# Altium PCB CU-ON-OFF-V2-08-11-18.PcbDoc (part 9 of 14)
Units mm, origin at the board's own origin, x right, y up, seen from the top; angles counter-clockwise.
Board outline 213 x 122.62 mm, 2 copper layers (Top Layer, Bottom Layer); 304 components, 53 nets, 991 pads, 702 vias.
Unrouted connection lines stored in the file: 1.
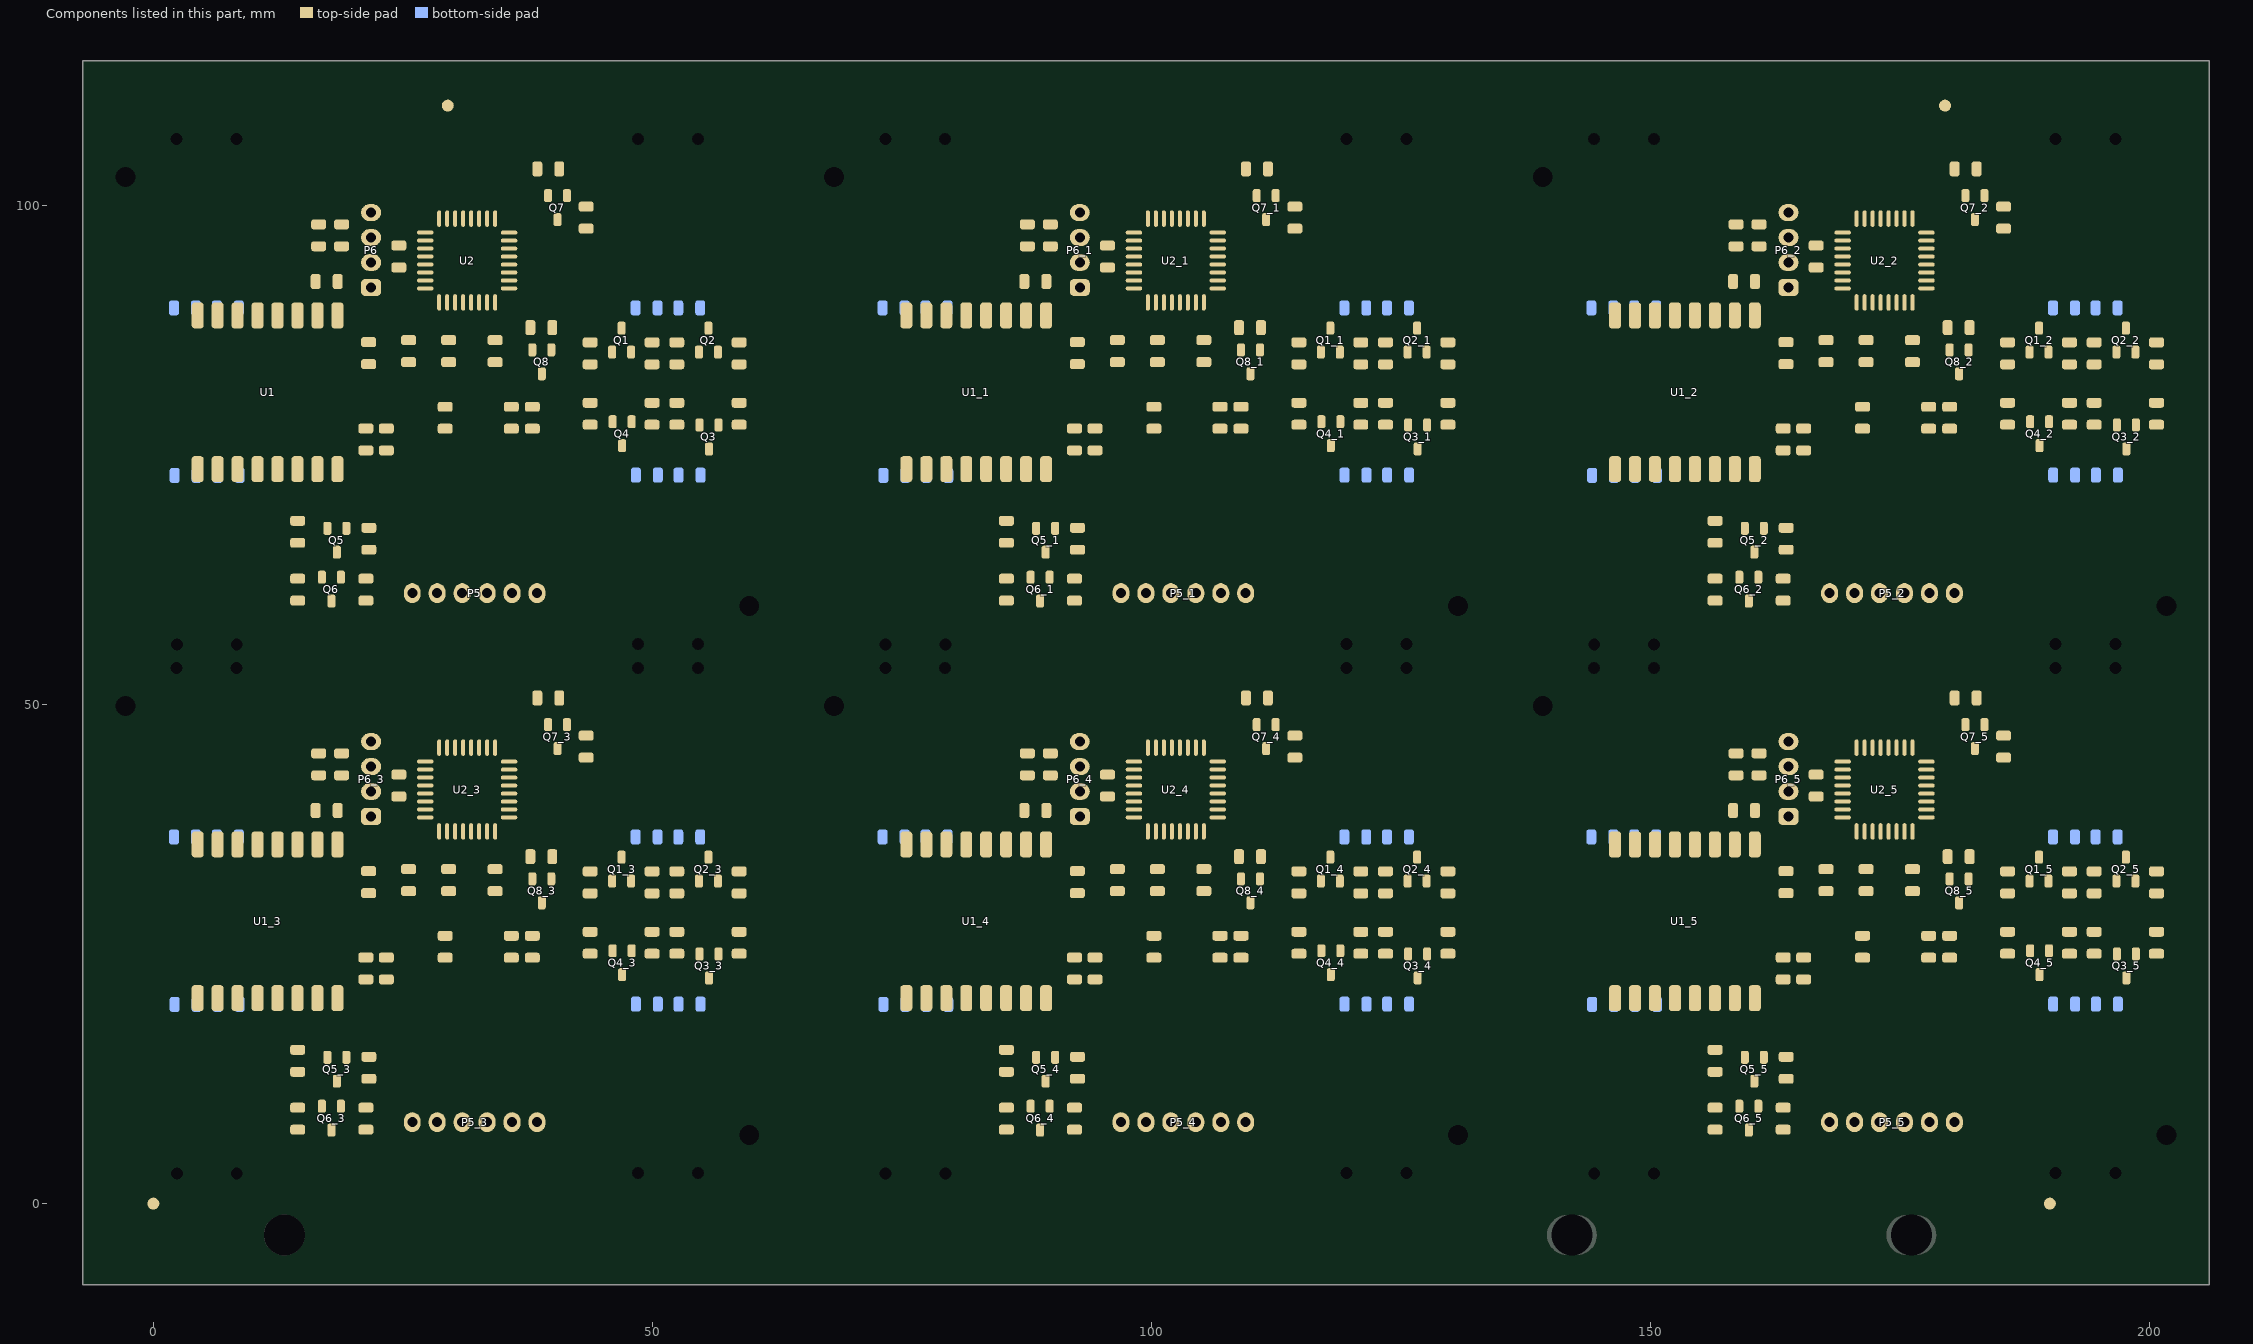
[diagram p9: the components of this part, seen from the top]

## Via types
v1: diameter 0.8, hole 0.5, Top Layer to Bottom Layer, 702 vias

## Nets (pads, with @x,y where several pads share a name; then routed paths per layer and width w, separated by ;. In a path a pad name is that pad's centre, name@x,y a point inside that pad or via, vN(x,y) a via of type N, cw(c..) or ccw(c..) an arc to the next point about the centre after c; other vN are vias at no path point) (continued)
copper on no net: (continued)
  Top Layer w1: v1(14.058,6.337) v1(14.833,6.337) ; v1(14.058,12.137) v1(14.833,12.137) ; 14.058,59.336 14.833,59.336 ; 14.058,65.136 14.833,65.136 ; v1(14.083,10.664) v1(14.858,10.664) ; 14.083,63.662 14.858,63.662 ; v1(16.619,6.925) v1(16.619,7.7) ; 16.619,59.924 16.619,60.699 ; v1(17.47,11.825) v1(17.47,12.6) ; 17.47,64.824 17.47,65.599 ; 18.541,20.382 v1(21.091,20.382) ; 21.091,31.107 v1(21.091,29.982) v1(21.866,29.982) ; 21.091,84.106 21.091,82.981 21.866,82.981 ; 21.291,22.457 23.341,22.457 v1(24.666,21.157) ; v1(24.666,14.582) v1(24.666,15.357) ; v1(24.666,19.607) 28.166,19.607 v1@29.166,19.607 ; v1@24.666,19.882 v1(24.666,20.382) v1(24.666,21.157) ; v1@24.891,20.607 25.216,20.607 ; v1(25.578,29.382) v1(25.578,30.157) 25.578,31.307 ; 25.578,82.381 25.578,83.156 25.578,84.306 ; 28.166,72.606 29.166,72.606 ; v1@28.441,19.882 v1@28.441,20.557 ; v1(28.491,19.832) v1(29.266,19.832) ; v1(28.833,23.562) v1(29.608,23.562) ; 28.833,76.561 29.608,76.561 ; v1@29.266,19.607 v1(29.266,19.832) ; 29.266,72.606 29.266,72.831 ; v1(29.591,29.407) v1(29.591,30.182) 29.591,31.307 ; 29.591,82.406 29.591,83.181 29.591,84.306 ; v1(31.066,39.782) v1(31.841,39.782) ; 31.066,92.781 31.841,92.781 ; 35.866,26.832 37.966,26.832 v1@39.516,26.832 ; v1(36.266,36.807) v1(36.266,37.582) ; 36.266,89.806 36.266,90.581 ; v1(37.816,36.832) v1(37.816,37.607) ; 37.816,89.831 37.816,90.606 ; v1(38.416,48.382) 39.441,48.382 ; 38.441,8.157 38.441,17.657 40.341,19.557 40.341,26.007 ; 38.466,50.382 cw(c38.328,50.52) 38.328,50.325 v1(37.209,50.325) v1(37.209,51.1) 38.423,51.1 cw(c38.423,51.039) 38.466,51.082 ; 38.466,103.381 cw(c38.328,103.519) 38.328,103.324 37.209,103.324 37.209,104.099 38.423,104.099 cw(c38.423,104.038) 38.466,104.081 ; v1(39.566,27.257) v1(40.341,27.257) v1(40.341,26.482) 40.341,26.007 ; v1(39.571,45.173) v1(39.571,45.948) ; 39.571,98.172 39.571,98.947 ; 40.341,25.957 40.341,26.007 ; 40.666,50.282 ccw(c40.707,50.323) 40.707,50.265 v1(41.722,50.265) v1(41.722,51.04) 40.685,51.04 ccw(c40.685,51.013) 40.666,51.032 ; 40.666,103.281 ccw(c40.707,103.322) 40.707,103.264 41.722,103.264 41.722,104.039 40.685,104.039 ccw(c40.685,104.012) 40.666,104.031 ; v1(44.516,30.17) v1(45.291,30.17) ; 44.516,83.169 45.291,83.169 ; v1(47.058,20.35) v1(47.058,21.125) ; 47.058,73.349 47.058,74.124 ; v1(49.583,34.475) v1(50.358,34.475) ; 49.583,87.474 50.358,87.474 ; v1(50.458,22.225) v1(50.458,23) ; 50.458,75.224 50.458,75.999 ; v1(52.433,22.225) v1(52.433,23) ; 52.433,75.224 52.433,75.999 ; v1@52.441,23.008 52.441,25.032 ; 52.441,76.007 52.441,78.031 ; 55.566,22.232 cw(c55.549,22.249) 55.549,22.225 v1(54.583,22.225) v1(54.583,23) 55.549,23 ccw(c55.549,23.024) 55.566,23.007 ; 55.566,75.231 cw(c55.549,75.248) 55.549,75.224 54.583,75.224 54.583,75.999 55.549,75.999 ccw(c55.549,76.023) 55.566,76.006 ; v1(56.483,34.35) v1(56.483,35.125) ; 56.483,87.349 56.483,88.124 ; v1(58.308,34.475) v1(59.083,34.475) ; 58.308,87.474 59.083,87.474 ; 59.05,31.076 59.35,31.076 ; 59.05,84.075 59.35,84.075 ; v1(59.358,29.1) v1@59.358,29.965 ; 59.358,82.099 59.358,82.964 ; v1@59.36,30.021 59.36,31.047 ; v1(85.058,6.337) v1(85.833,6.337) ; v1(85.058,12.137) v1(85.833,12.137) ; v1(85.058,59.336) v1(85.833,59.336) ; v1(85.058,65.136) v1(85.833,65.136) ; v1(85.083,10.664) v1(85.858,10.664) ; v1(85.083,63.662) v1(85.858,63.662) ; v1(87.619,6.925) v1(87.619,7.7) ; v1(87.619,59.924) v1(87.619,60.699) ; v1(88.47,11.825) v1(88.47,12.6) ; v1(88.47,64.824) v1(88.47,65.599) ; 89.541,20.382 v1(92.091,20.382) ; 89.541,73.381 v1(92.091,73.381) ; 92.091,31.107 v1(92.091,29.982) v1(92.866,29.982) ; 92.091,84.106 v1(92.091,82.981) v1(92.866,82.981) ; 92.291,22.457 94.341,22.457 v1(95.666,21.157) ; 92.291,75.456 94.341,75.456 v1(95.666,74.156) ; v1(95.666,14.582) v1(95.666,15.357) ; v1(95.666,19.607) 99.166,19.607 v1@100.166,19.607 ; v1@95.666,19.882 v1(95.666,20.382) v1(95.666,21.157) ; v1(95.666,67.581) v1(95.666,68.356) ; v1(95.666,72.606) 99.166,72.606 v1@100.166,72.606 ; v1@95.666,72.881 v1(95.666,73.381) v1(95.666,74.156) ; v1@95.891,20.607 96.216,20.607 ; v1@95.891,73.606 96.216,73.606 ; v1(96.578,29.382) v1(96.578,30.157) 96.578,31.307 ; v1(96.578,82.381) v1(96.578,83.156) 96.578,84.306 ; v1@99.441,19.882 v1@99.441,20.557 ; v1@99.441,72.881 v1@99.441,73.556 ; v1(99.491,19.832) v1(100.266,19.832) ; v1(99.491,72.831) v1(100.266,72.831) ; v1(99.833,23.562) v1(100.608,23.562) ; v1(99.833,76.561) v1(100.608,76.561) ; v1@100.266,19.607 v1(100.266,19.832) ; v1@100.266,72.606 v1(100.266,72.831) ; v1(100.591,29.407) v1(100.591,30.182) 100.591,31.307 ; v1(100.591,82.406) v1(100.591,83.181) 100.591,84.306 ; v1(102.066,39.782) v1(102.841,39.782) ; v1(102.066,92.781) v1(102.841,92.781) ; 106.866,26.832 108.966,26.832 v1@110.516,26.832 ; 106.866,79.831 108.966,79.831 v1@110.516,79.831 ; v1(107.266,36.807) v1(107.266,37.582) ; v1(107.266,89.806) v1(107.266,90.581) ; v1(108.816,36.832) v1(108.816,37.607) ; v1(108.816,89.831) v1(108.816,90.606) ; v1(109.416,48.382) 110.441,48.382 ; v1(109.416,101.381) 110.441,101.381 ; 109.441,8.157 109.441,17.657 111.341,19.557 111.341,26.007 ; 109.441,61.156 109.441,70.656 111.341,72.556 111.341,79.006 ; 109.466,50.382 cw(c109.328,50.52) 109.328,50.325 v1(108.209,50.325) v1(108.209,51.1) 109.423,51.1 cw(c109.423,51.039) 109.466,51.082 ; 109.466,103.381 cw(c109.328,103.519) 109.328,103.324 v1(108.209,103.324) v1(108.209,104.099) 109.423,104.099 cw(c109.423,104.038) 109.466,104.081 ; v1(110.566,27.257) v1(111.341,27.257) v1(111.341,26.482) 111.341,26.007 ; v1(110.566,80.256) v1(111.341,80.256) v1(111.341,79.481) 111.341,79.006 ; v1(110.571,45.173) v1(110.571,45.948) ; v1(110.571,98.172) v1(110.571,98.947) ; 111.341,25.957 111.341,26.007 ; 111.341,78.956 111.341,79.006 ; 111.666,50.282 ccw(c111.707,50.323) 111.707,50.265 v1(112.722,50.265) v1(112.722,51.04) 111.685,51.04 ccw(c111.685,51.013) 111.666,51.032 ; 111.666,103.281 ccw(c111.707,103.322) 111.707,103.264 v1(112.722,103.264) v1(112.722,104.039) 111.685,104.039 ccw(c111.685,104.012) 111.666,104.031 ; v1(115.516,30.17) v1(116.291,30.17) ; v1(115.516,83.169) v1(116.291,83.169) ; v1(118.058,20.35) v1(118.058,21.125) ; v1(118.058,73.349) v1(118.058,74.124) ; v1(120.583,34.475) v1(121.358,34.475) ; v1(120.583,87.474) v1(121.358,87.474) ; v1(121.458,22.225) v1(121.458,23) ; v1(121.458,75.224) v1(121.458,75.999) ; v1(123.433,22.225) v1(123.433,23) ; v1(123.433,75.224) v1(123.433,75.999) ; v1@123.441,23.008 123.441,25.032 ; v1@123.441,76.007 123.441,78.031 ; 126.566,22.232 cw(c126.549,22.249) 126.549,22.225 v1(125.583,22.225) v1(125.583,23) 126.549,23 ccw(c126.549,23.024) 126.566,23.007 ; 126.566,75.231 cw(c126.549,75.248) 126.549,75.224 v1(125.583,75.224) v1(125.583,75.999) 126.549,75.999 ccw(c126.549,76.023) 126.566,76.006 ; v1(127.483,34.35) v1(127.483,35.125) ; v1(127.483,87.349) v1(127.483,88.124) ; v1(129.308,34.475) v1(130.083,34.475) ; v1(129.308,87.474) v1(130.083,87.474) ; 130.05,31.076 130.35,31.076 ; 130.05,84.075 130.35,84.075 ; v1(130.358,29.1) v1@130.358,29.965 ; v1(130.358,82.099) v1@130.358,82.964 ; v1@130.36,30.021 130.36,31.047 ; v1@130.36,83.02 130.36,84.046 ; v1(156.058,6.337) v1(156.833,6.337) ; v1(156.058,12.137) v1(156.833,12.137) ; v1(156.058,59.336) v1(156.833,59.336) ; v1(156.058,65.136) v1(156.833,65.136) ; v1(156.083,10.664) v1(156.858,10.664) ; v1(156.083,63.662) v1(156.858,63.662) ; v1(158.619,6.925) v1(158.619,7.7) ; v1(158.619,59.924) v1(158.619,60.699) ; v1(159.47,11.825) v1(159.47,12.6) ; v1(159.47,64.824) v1(159.47,65.599) ; 160.541,20.382 v1(163.091,20.382) ; 160.541,73.381 v1(163.091,73.381) ; 163.091,31.107 v1(163.091,29.982) v1(163.866,29.982) ; 163.091,84.106 v1(163.091,82.981) v1(163.866,82.981) ; 163.291,22.457 165.341,22.457 v1(166.666,21.157) ; 163.291,75.456 165.341,75.456 v1(166.666,74.156) ; v1(166.666,14.582) v1(166.666,15.357) ; v1(166.666,19.607) 170.166,19.607 v1@171.166,19.607 ; v1@166.666,19.882 v1(166.666,20.382) v1(166.666,21.157) ; v1(166.666,67.581) v1(166.666,68.356) ; v1(166.666,72.606) 170.166,72.606 v1@171.166,72.606 ; v1@166.666,72.881 v1(166.666,73.381) v1(166.666,74.156) ; v1@166.891,20.607 167.216,20.607 ; v1@166.891,73.606 167.216,73.606 ; v1(167.578,29.382) v1(167.578,30.157) 167.578,31.307 ; v1(167.578,82.381) v1(167.578,83.156) 167.578,84.306 ; v1@170.441,19.882 v1@170.441,20.557 ; v1@170.441,72.881 v1@170.441,73.556 ; v1(170.491,19.832) v1(171.266,19.832) ; v1(170.491,72.831) v1(171.266,72.831) ; v1(170.833,23.562) v1(171.608,23.562) ; v1(170.833,76.561) v1(171.608,76.561) ; v1@171.266,19.607 v1(171.266,19.832) ; v1@171.266,72.606 v1(171.266,72.831) ; v1(171.591,29.407) v1(171.591,30.182) 171.591,31.307 ; v1(171.591,82.406) v1(171.591,83.181) 171.591,84.306 ; v1(173.066,39.782) v1(173.841,39.782) ; v1(173.066,92.781) v1(173.841,92.781) ; 177.866,26.832 179.966,26.832 v1@181.516,26.832 ; 177.866,79.831 179.966,79.831 v1@181.516,79.831 ; v1(178.266,36.807) v1(178.266,37.582) ; v1(178.266,89.806) v1(178.266,90.581) ; v1(179.816,36.832) v1(179.816,37.607) ; v1(179.816,89.831) v1(179.816,90.606) ; v1(180.416,48.382) 181.441,48.382 ; v1(180.416,101.381) 181.441,101.381 ; 180.441,8.157 180.441,17.657 182.341,19.557 182.341,26.007 ; 180.441,61.156 180.441,70.656 182.341,72.556 182.341,79.006 ; 180.466,50.382 cw(c180.328,50.52) 180.328,50.325 v1(179.209,50.325) v1(179.209,51.1) 180.422,51.1 cw(c180.422,51.039) 180.466,51.082 ; 180.466,103.381 cw(c180.328,103.519) 180.328,103.324 v1(179.209,103.324) v1(179.209,104.099) 180.422,104.099 cw(c180.422,104.038) 180.466,104.081 ; v1(181.566,27.257) v1(182.341,27.257) v1(182.341,26.482) 182.341,26.007 ; v1(181.566,80.256) v1(182.341,80.256) v1(182.341,79.481) 182.341,79.006 ; v1(181.571,45.173) v1(181.571,45.948) ; v1(181.571,98.172) v1(181.571,98.947) ; 182.341,25.957 182.341,26.007 ; 182.341,78.956 182.341,79.006 ; 182.666,50.282 ccw(c182.707,50.323) 182.707,50.265 v1(183.722,50.265) v1(183.722,51.04) 182.685,51.04 ccw(c182.685,51.013) 182.666,51.032 ; 182.666,103.281 ccw(c182.707,103.322) 182.707,103.264 v1(183.722,103.264) v1(183.722,104.039) 182.685,104.039 ccw(c182.685,104.012) 182.666,104.031 ; v1(186.516,30.17) v1(187.291,30.17) ; v1(186.516,83.169) v1(187.291,83.169) ; v1(189.058,20.35) v1(189.058,21.125) ; v1(189.058,73.349) v1(189.058,74.124) ; v1(191.583,34.475) v1(192.358,34.475) ; v1(191.583,87.474) v1(192.358,87.474) ; v1(192.458,22.225) v1(192.458,23) ; v1(192.458,75.224) v1(192.458,75.999) ; v1(194.433,22.225) v1(194.433,23) ; v1(194.433,75.224) v1(194.433,75.999) ; v1@194.441,23.008 194.441,25.032 ; v1@194.441,76.007 194.441,78.031 ; 197.566,22.232 cw(c197.549,22.249) 197.549,22.225 v1(196.583,22.225) v1(196.583,23) 197.549,23 ccw(c197.549,23.024) 197.566,23.007 ; 197.566,75.231 cw(c197.549,75.248) 197.549,75.224 v1(196.583,75.224) v1(196.583,75.999) 197.549,75.999 ccw(c197.549,76.023) 197.566,76.006 ; v1(198.483,34.35) v1(198.483,35.125) ; v1(198.483,87.349) v1(198.483,88.124) ; v1(200.308,34.475) v1(201.083,34.475) ; v1(200.308,87.474) v1(201.083,87.474) ; 201.05,31.076 201.35,31.076 ; 201.05,84.075 201.35,84.075 ; v1(201.358,29.1) v1@201.358,29.965 ; v1(201.358,82.099) v1@201.358,82.964 ; v1@201.36,30.021 201.36,31.047 ; v1@201.36,83.02 201.36,84.046 ; v1(21.091,20.382) v1(21.091,18.832) v1(21.866,18.832) v1(21.866,20.382) v1(21.091,20.382) ; v1(24.666,21.157) 25.216,20.607 ; 25.216,20.607 v1(28.491,20.607) v1(29.266,20.607) 29.941,20.607 29.65,20.273 v1(29.266,19.832) ; v1(92.091,20.382) v1(92.091,18.832) v1(92.866,18.832) v1(92.866,20.382) v1(92.091,20.382) ; v1(92.091,73.381) v1(92.091,71.831) v1(92.866,71.831) v1(92.866,73.381) v1(92.091,73.381) ; v1(95.666,21.157) 96.216,20.607 ; v1(95.666,74.156) 96.216,73.606 ; 96.216,20.607 v1(99.491,20.607) v1(100.266,20.607) 100.941,20.607 100.65,20.273 v1(100.266,19.832) ; 96.216,73.606 v1(99.491,73.606) v1(100.266,73.606) 100.941,73.606 100.65,73.272 v1(100.266,72.831) ; v1(163.091,20.382) v1(163.091,18.832) v1(163.866,18.832) v1(163.866,20.382) v1(163.091,20.382) ; v1(163.091,73.381) v1(163.091,71.831) v1(163.866,71.831) v1(163.866,73.381) v1(163.091,73.381) ; v1(166.666,21.157) 167.216,20.607 ; v1(166.666,74.156) 167.216,73.606 ; 167.216,20.607 v1(170.491,20.607) v1(171.266,20.607) 171.941,20.607 171.65,20.273 v1(171.266,19.832) ; 167.216,73.606 v1(170.491,73.606) v1(171.266,73.606) 171.941,73.606 171.65,73.272 v1(171.266,72.831) ; v1(10.041,33.507) ccw(c9.075,34.473) 10.441,34.473 10.441,35.982 10.441,34.412 ccw(c11.721,34.412) v1(10.816,33.507) v1(10.041,33.507) ; 10.041,86.506 ccw(c9.075,87.472) 10.441,87.472 10.441,88.981 10.441,87.411 ccw(c11.721,87.411) 10.816,86.506 10.041,86.506 ; 21.091,71.831 21.866,71.831 21.866,73.381 21.091,73.381 21.091,71.831 ; v1(24.133,44.925) v1(24.908,44.925) v1(24.908,45.7) v1(24.133,45.7) v1(24.133,44.925) ; 24.133,97.924 24.133,98.699 24.908,98.699 24.908,97.924 24.133,97.924 ; v1(38.091,28.882) v1(38.866,28.882) 38.866,30.101 ccw(c38.61,30.101) 38.791,30.282 38.326,30.282 ccw(c38.326,30.197) 38.266,30.257 ccw(c38.688,29.835) 38.091,29.835 v1(38.091,28.882) ; 38.091,81.881 38.091,82.834 cw(c38.688,82.834) 38.266,83.256 cw(c38.326,83.196) 38.326,83.281 38.791,83.281 cw(c38.61,83.1) 38.866,83.1 38.866,81.881 38.091,81.881 ; v1(81.041,33.507) ccw(c80.075,34.473) 81.441,34.473 81.441,35.982 81.441,34.412 ccw(c82.721,34.412) v1(81.816,33.507) v1(81.041,33.507) ; v1(81.041,86.506) ccw(c80.075,87.472) 81.441,87.472 81.441,88.981 81.441,87.411 ccw(c82.721,87.411) v1(81.816,86.506) v1(81.041,86.506) ; v1(95.133,44.925) v1(95.908,44.925) v1(95.908,45.7) v1(95.133,45.7) v1(95.133,44.925) ; v1(95.133,97.924) v1(95.908,97.924) v1(95.908,98.699) v1(95.133,98.699) v1(95.133,97.924) ; v1(109.091,28.882) v1(109.866,28.882) 109.866,30.101 ccw(c109.61,30.101) 109.791,30.282 109.326,30.282 ccw(c109.326,30.197) 109.266,30.257 ccw(c109.688,29.835) 109.091,29.835 v1(109.091,28.882) ; v1(109.091,81.881) v1(109.866,81.881) 109.866,83.1 ccw(c109.61,83.1) 109.791,83.281 109.326,83.281 ccw(c109.326,83.196) 109.266,83.256 ccw(c109.688,82.834) 109.091,82.834 v1(109.091,81.881) ; v1(152.041,33.507) ccw(c151.075,34.473) 152.441,34.473 152.441,35.982 152.441,34.412 ccw(c153.721,34.412) v1(152.816,33.507) v1(152.041,33.507) ; v1(152.041,86.506) ccw(c151.075,87.472) 152.441,87.472 152.441,88.981 152.441,87.411 ccw(c153.721,87.411) v1(152.816,86.506) v1(152.041,86.506) ; v1(166.133,44.925) v1(166.908,44.925) v1(166.908,45.7) v1(166.133,45.7) v1(166.133,44.925) ; v1(166.133,97.924) v1(166.908,97.924) v1(166.908,98.699) v1(166.133,98.699) v1(166.133,97.924) ; v1(180.091,28.882) v1(180.866,28.882) 180.866,30.101 ccw(c180.61,30.101) 180.791,30.282 180.326,30.282 ccw(c180.326,30.197) 180.266,30.257 ccw(c180.688,29.835) 180.091,29.835 v1(180.091,28.882) ; v1(180.091,81.881) v1(180.866,81.881) 180.866,83.1 ccw(c180.61,83.1) 180.791,83.281 180.326,83.281 ccw(c180.326,83.196) 180.266,83.256 ccw(c180.688,82.834) 180.091,82.834 v1(180.091,81.881)
  Bottom Layer w0.254: 17.366,37.482 19.416,37.482 ; 17.366,39.082 19.416,39.082 ; 17.366,40.682 18.228,40.682 ccw(c18.228,40.713) 18.25,40.691 ; 17.366,42.282 19.356,42.282 ccw(c19.356,42.367) 19.416,42.307 ; 17.366,43.882 19.416,43.882 ; 17.366,45.482 19.416,45.482 ; 17.366,90.481 19.416,90.481 ; 17.366,92.081 19.416,92.081 ; 17.366,93.681 18.228,93.681 ccw(c18.228,93.712) 18.25,93.69 ; 17.366,95.281 19.356,95.281 ccw(c19.356,95.366) 19.416,95.306 ; 17.366,96.881 19.416,96.881 ; 17.366,98.481 19.416,98.481 ; 17.412,47.062 18.282,47.931 cw(c20.14,46.074) 20.14,48.701 ; 17.412,100.061 18.282,100.93 cw(c20.14,99.073) 20.14,101.7 ; 17.991,35.882 19.355,35.882 ccw(c19.355,35.968) 19.416,35.907 ; 17.991,88.881 19.355,88.881 ccw(c19.355,88.967) 19.416,88.906 ; 18.541,35.333 18.541,36.645 cw(c18.606,36.645) 18.56,36.691 ; 18.541,88.331 18.541,89.644 cw(c18.606,89.644) 18.56,89.69 ; 20.141,34.882 20.141,36.932 ; 20.141,87.881 20.141,89.931 ; 20.491,47.407 20.491,48.153 cw(c20.728,48.153) 20.56,48.321 ; 20.491,100.406 20.491,101.152 cw(c20.728,101.152) 20.56,101.32 ; 20.62,47.601 cw(c21.932,46.289) 21.932,48.144 ; 20.62,100.6 cw(c21.932,99.288) 21.932,101.143 ; 20.743,40.131 20.743,41.214 cw(c20.767,41.214) 20.75,41.231 ; 20.743,93.13 20.743,94.213 cw(c20.767,94.213) 20.75,94.23 ; 20.86,41.481 ccw(c20.804,41.537) 20.883,41.537 ; 20.86,94.48 ccw(c20.804,94.536) 20.883,94.536 ; 20.883,40.201 20.883,42.532 ; 20.883,93.2 20.883,95.531 ; 21.7,35.781 cw(c21.601,35.682) 21.741,35.682 21.741,34.882 ; 21.7,88.78 cw(c21.601,88.681) 21.741,88.681 21.741,87.881 ; 21.741,36.932 21.741,36.025 ccw(c21.874,36.025) 21.78,35.931 ; 21.741,89.931 21.741,89.024 ccw(c21.874,89.024) 21.78,88.93 ; 23.341,34.882 23.341,36.957 ; 23.341,87.881 23.341,89.956 ; 23.41,48.311 ccw(c23.577,48.144) 23.341,48.144 ; 23.41,101.31 ccw(c23.577,101.143) 23.341,101.143 ; 23.741,35.907 ccw(c23.801,35.968) 23.801,35.882 25.165,35.882 ; 23.741,88.906 ccw(c23.801,88.967) 23.801,88.881 25.165,88.881 ; 24.033,37.649 24.585,37.097 ccw(c24.89,37.402) 24.89,36.971 ; 24.033,90.648 24.585,90.096 ccw(c24.89,90.401) 24.89,89.97 ; 24.831,38.447 25.541,37.736 cw(c25.287,37.482) 25.647,37.482 ; 24.831,91.446 25.541,90.735 cw(c25.287,90.481) 25.647,90.481 ; 24.93,48.432 cw(c24.904,48.406) 24.941,48.406 24.941,47.407 ; 24.93,101.431 cw(c24.904,101.405) 24.941,101.405 24.941,100.406 ; 25.466,39.082 27.128,39.082 ; 25.466,92.081 27.128,92.081 ; 25.48,37.551 ccw(c25.647,37.718) 25.647,37.482 ; 25.48,90.55 ccw(c25.647,90.717) 25.647,90.481 ; 26.541,40.157 26.541,38.744 ccw(c26.743,38.744) 26.6,38.601 ; 26.541,47.407 26.541,48.338 cw(c26.674,48.338) 26.58,48.432 ; 26.541,93.156 26.541,91.743 ccw(c26.743,91.743) 26.6,91.6 ; 26.541,100.406 26.541,101.337 cw(c26.674,101.337) 26.58,101.431 ; 26.765,37.482 25.647,37.482 ; 26.765,90.481 25.647,90.481 ; 27.01,39.131 ccw(c27.128,39.249) 27.128,39.082 ; 27.01,92.13 ccw(c27.128,92.248) 27.128,92.081 ; 27.066,40.682 28.102,40.682 cw(c28.102,40.303) 28.37,40.571 ; 27.066,93.681 28.102,93.681 cw(c28.102,93.302) 28.37,93.57 ; 27.95,39.921 ccw(c27.984,39.955) 27.984,39.907 29.191,39.907 30.175,40.891 ccw(c29.945,41.121) 30.27,41.121 ; 27.95,92.92 ccw(c27.984,92.954) 27.984,92.906 29.191,92.906 30.175,93.89 ccw(c29.945,94.12) 30.27,94.12 ; 28.12,40.461 ccw(c28.069,40.512) 28.141,40.512 28.141,41.757 ; 28.12,93.46 ccw(c28.069,93.511) 28.141,93.511 28.141,94.756 ; 28.141,47.407 28.141,48.148 cw(c28.343,48.148) 28.2,48.291 ; 28.141,100.406 28.141,101.147 cw(c28.343,101.147) 28.2,101.29 ; 28.365,39.082 27.128,39.082 ; 28.365,92.081 27.128,92.081 ; 29.599,39.907 30.735,41.043 ccw(c30.696,41.082) 30.751,41.082 ; 29.599,92.906 30.735,94.042 ccw(c30.696,94.081) 30.751,94.081 ; 29.72,41.121 ccw(c29.669,41.172) 29.741,41.172 29.741,42.237 ; 29.72,94.12 ccw(c29.669,94.171) 29.741,94.171 29.741,95.236 ; 29.73,48.401 cw(c29.704,48.375) 29.741,48.375 29.741,47.407 ; 29.73,101.4 cw(c29.704,101.374) 29.741,101.374 29.741,100.406 ; 30.641,42.237 30.641,41.184 ccw(c30.877,41.184) 30.71,41.018 ; 30.641,95.236 30.641,94.183 ccw(c30.877,94.183) 30.71,94.017 ; 31.341,47.407 31.341,48.311 cw(c31.44,48.311) 31.37,48.381 ; 31.341,100.406 31.341,101.31 cw(c31.44,101.31) 31.37,101.38 ; 32.96,48.301 ccw(c33.006,48.255) 32.941,48.255 32.941,47.407 34.304,47.407 ccw(c34.304,47.557) 34.41,47.451 ; 32.96,101.3 ccw(c33.006,101.254) 32.941,101.254 32.941,100.406 34.304,100.406 ccw(c34.304,100.556) 34.41,100.45 ; 33.077,46.807 34.027,46.807 cw(c34.027,45.148) 35.2,46.321 ; 33.077,99.806 34.027,99.806 cw(c34.027,98.147) 35.2,99.32 ; 37.312,52.206 cw(c37.209,51.061) 38.244,51.564 ; 37.92,44.101 ccw(c37.994,44.175) 37.994,44.07 39.302,44.07 39.302,43.168 cw(c38.953,43.168) 39.2,42.921 cw(c39.061,42.782) 39.258,42.782 39.258,41.932 ; 37.92,97.1 ccw(c37.994,97.174) 37.994,97.069 39.302,97.069 39.302,96.167 cw(c38.953,96.167) 39.2,95.92 cw(c39.061,95.781) 39.258,95.781 39.258,94.931 ; v1@38.23,47.471 ccw(c38.505,47.746) 38.505,47.357 39.41,47.357 ; 38.23,100.47 ccw(c38.505,100.745) 38.505,100.356 39.41,100.356 ; 39.341,49.407 39.341,48.549 ccw(c39.508,48.549) 39.39,48.431 ; 39.341,102.406 39.341,101.548 ccw(c39.508,101.548) 39.39,101.43 ; 40.216,47.357 40.216,48.184 cw(c40.297,48.184) 40.24,48.241 ; 40.216,100.356 40.216,101.183 cw(c40.297,101.183) 40.24,101.24 ; 40.4,43.051 ccw(c40.36,43.091) 40.416,43.091 40.416,43.982 ; 40.4,96.05 ccw(c40.36,96.09) 40.416,96.09 40.416,96.981 ; 40.641,48.382 40.641,49.407 ; 40.641,101.381 40.641,102.406 ; 40.777,51.655 cw(c41.722,51.001) 42.757,51.504 ; 40.941,41.937 40.941,43.145 cw(c41.006,43.145) 40.96,43.191 ; 40.941,94.936 40.941,96.144 cw(c41.006,96.144) 40.96,96.19 ; 41.091,44.657 42.039,44.657 ccw(c42.039,44.672) 42.05,44.661 ; 41.091,46.482 41.836,46.482 ccw(c41.836,46.785) 42.05,46.571 ; 41.091,97.656 42.039,97.656 ccw(c42.039,97.671) 42.05,97.66 ; 41.091,99.481 41.836,99.481 ccw(c41.836,99.784) 42.05,99.57 ; 41.44,43.301 cw(c41.456,43.285) 41.456,43.307 42.641,43.307 ; 41.44,96.3 cw(c41.456,96.284) 41.456,96.306 42.641,96.306 ; 88.366,37.482 90.416,37.482 ; 88.366,39.082 90.416,39.082 ; 88.366,40.682 89.228,40.682 ccw(c89.228,40.713) 89.25,40.691 ; 88.366,42.282 90.356,42.282 ccw(c90.356,42.367) 90.416,42.307 ; 88.366,43.882 90.416,43.882 ; 88.366,45.482 90.416,45.482 ; 88.366,90.481 90.416,90.481 ; 88.366,92.081 90.416,92.081 ; 88.366,93.681 89.228,93.681 ccw(c89.228,93.712) 89.25,93.69 ; 88.366,95.281 90.356,95.281 ccw(c90.356,95.366) 90.416,95.306 ; 88.366,96.881 90.416,96.881 ; 88.366,98.481 90.416,98.481 ; 88.412,47.062 89.282,47.931 cw(c91.14,46.074) 91.14,48.701 ; 88.412,100.061 89.282,100.93 cw(c91.14,99.073) 91.14,101.7 ; 88.991,35.882 90.355,35.882 ccw(c90.355,35.968) 90.416,35.907 ; 88.991,88.881 90.355,88.881 ccw(c90.355,88.967) 90.416,88.906 ; 89.541,35.333 89.541,36.645 cw(c89.606,36.645) 89.56,36.691 ; 89.541,88.331 89.541,89.644 cw(c89.606,89.644) 89.56,89.69 ; 91.141,34.882 91.141,36.932 ; 91.141,87.881 91.141,89.931 ; 91.491,47.407 91.491,48.153 cw(c91.728,48.153) 91.56,48.321 ; 91.491,100.406 91.491,101.152 cw(c91.728,101.152) 91.56,101.32 ; 91.62,47.601 cw(c92.931,46.289) 92.931,48.144 ; 91.62,100.6 cw(c92.931,99.288) 92.931,101.143 ; 91.743,40.131 91.743,41.214 cw(c91.767,41.214) 91.75,41.231 ; 91.743,93.13 91.743,94.213 cw(c91.767,94.213) 91.75,94.23 ; 91.86,41.481 ccw(c91.804,41.537) 91.883,41.537 ; 91.86,94.48 ccw(c91.804,94.536) 91.883,94.536 ; 91.883,40.201 91.883,42.532 ; 91.883,93.2 91.883,95.531 ; 92.7,35.781 cw(c92.601,35.682) 92.741,35.682 92.741,34.882 ; 92.7,88.78 cw(c92.601,88.681) 92.741,88.681 92.741,87.881 ; 92.741,36.932 92.741,36.025 ccw(c92.874,36.025) 92.78,35.931 ; 92.741,89.931 92.741,89.024 ccw(c92.874,89.024) 92.78,88.93 ; 94.341,34.882 94.341,36.957 ; 94.341,87.881 94.341,89.956 ; 94.41,48.311 ccw(c94.577,48.144) 94.341,48.144 ; 94.41,101.31 ccw(c94.577,101.143) 94.341,101.143 ; 94.741,35.907 ccw(c94.801,35.968) 94.801,35.882 96.165,35.882 ; 94.741,88.906 ccw(c94.801,88.967) 94.801,88.881 96.165,88.881 ; 95.033,37.649 95.585,37.097 ccw(c95.89,37.402) 95.89,36.971 ; 95.033,90.648 95.585,90.096 ccw(c95.89,90.401) 95.89,89.97 ; 95.831,38.447 96.541,37.736 cw(c96.287,37.482) 96.647,37.482 ; 95.831,91.446 96.541,90.735 cw(c96.287,90.481) 96.647,90.481 ; 95.93,48.432 cw(c95.904,48.406) 95.941,48.406 95.941,47.407 ; 95.93,101.431 cw(c95.904,101.405) 95.941,101.405 95.941,100.406 ; 96.466,39.082 98.128,39.082 ; 96.466,92.081 98.128,92.081 ; 96.48,37.551 ccw(c96.647,37.718) 96.647,37.482 ; 96.48,90.55 ccw(c96.647,90.717) 96.647,90.481 ; 97.541,40.157 97.541,38.744 ccw(c97.743,38.744) 97.6,38.601 ; 97.541,47.407 97.541,48.338 cw(c97.674,48.338) 97.58,48.432 ; 97.541,93.156 97.541,91.743 ccw(c97.743,91.743) 97.6,91.6 ; 97.541,100.406 97.541,101.337 cw(c97.674,101.337) 97.58,101.431 ; 97.765,37.482 96.647,37.482 ; 97.765,90.481 96.647,90.481 ; 98.01,39.131 ccw(c98.128,39.249) 98.128,39.082 ; 98.01,92.13 ccw(c98.128,92.248) 98.128,92.081 ; 98.066,40.682 99.102,40.682 cw(c99.102,40.303) 99.37,40.571 ; 98.066,93.681 99.102,93.681 cw(c99.102,93.302) 99.37,93.57 ; 98.95,39.921 ccw(c98.984,39.955) 98.984,39.907 100.191,39.907 101.175,40.891 ccw(c100.945,41.121) 101.27,41.121 ; 98.95,92.92 ccw(c98.984,92.954) 98.984,92.906 100.191,92.906 101.175,93.89 ccw(c100.945,94.12) 101.27,94.12 ; 99.12,40.461 ccw(c99.069,40.512) 99.141,40.512 99.141,41.757 ; 99.12,93.46 ccw(c99.069,93.511) 99.141,93.511 99.141,94.756 ; 99.141,47.407 99.141,48.148 cw(c99.343,48.148) 99.2,48.291 ; 99.141,100.406 99.141,101.147 cw(c99.343,101.147) 99.2,101.29 ; 99.365,39.082 98.128,39.082 ; 99.365,92.081 98.128,92.081 ; 100.599,39.907 101.735,41.043 ccw(c101.696,41.082) 101.751,41.082 ; 100.599,92.906 101.735,94.042 ccw(c101.696,94.081) 101.751,94.081 ; 100.72,41.121 ccw(c100.669,41.172) 100.741,41.172 100.741,42.237 ; 100.72,94.12 ccw(c100.669,94.171) 100.741,94.171 100.741,95.236 ; 100.73,48.401 cw(c100.704,48.375) 100.741,48.375 100.741,47.407 ; 100.73,101.4 cw(c100.704,101.374) 100.741,101.374 100.741,100.406 ; 101.641,42.237 101.641,41.184 ccw(c101.876,41.184) 101.71,41.018 ; 101.641,95.236 101.641,94.183 ccw(c101.876,94.183) 101.71,94.017 ; 102.341,47.407 102.341,48.311 cw(c102.44,48.311) 102.37,48.381 ; 102.341,100.406 102.341,101.31 cw(c102.44,101.31) 102.37,101.38 ; 103.96,48.301 ccw(c104.006,48.255) 103.941,48.255 103.941,47.407 105.304,47.407 ccw(c105.304,47.557) 105.41,47.451 ; 103.96,101.3 ccw(c104.006,101.254) 103.941,101.254 103.941,100.406 105.304,100.406 ccw(c105.304,100.556) 105.41,100.45 ; 104.077,46.807 105.027,46.807 cw(c105.027,45.148) 106.2,46.321 ; 104.077,99.806 105.027,99.806 cw(c105.027,98.147) 106.2,99.32 ; 108.312,52.206 cw(c108.209,51.061) 109.244,51.564 ; 108.312,105.205 cw(c108.209,104.06) 109.244,104.563 ; 108.92,44.101 ccw(c108.994,44.175) 108.994,44.07 110.302,44.07 110.302,43.168 cw(c109.953,43.168) 110.2,42.921 cw(c110.061,42.782) 110.258,42.782 110.258,41.932 ; 108.92,97.1 ccw(c108.994,97.174) 108.994,97.069 110.302,97.069 110.302,96.167 cw(c109.953,96.167) 110.2,95.92 cw(c110.061,95.781) 110.258,95.781 110.258,94.931 ; v1@109.23,47.471 ccw(c109.505,47.746) 109.505,47.357 110.41,47.357 ; v1@109.23,100.47 ccw(c109.505,100.745) 109.505,100.356 110.41,100.356 ; 110.341,49.407 110.341,48.549 ccw(c110.508,48.549) 110.39,48.431 ; 110.341,102.406 110.341,101.548 ccw(c110.508,101.548) 110.39,101.43 ; 111.216,47.357 111.216,48.184 cw(c111.297,48.184) 111.24,48.241 ; 111.216,100.356 111.216,101.183 cw(c111.297,101.183) 111.24,101.24 ; 111.4,43.051 ccw(c111.36,43.091) 111.416,43.091 111.416,43.982 ; 111.4,96.05 ccw(c111.36,96.09) 111.416,96.09 111.416,96.981 ; 111.641,48.382 111.641,49.407 ; 111.641,101.381 111.641,102.406 ; 111.777,51.655 cw(c112.722,51.001) 113.757,51.504 ; 111.777,104.654 cw(c112.722,104) 113.757,104.503 ; 111.941,41.937 111.941,43.145 cw(c112.006,43.145) 111.96,43.191 ; 111.941,94.936 111.941,96.144 cw(c112.006,96.144) 111.96,96.19 ; 112.091,44.657 113.039,44.657 ccw(c113.039,44.672) 113.05,44.661 ; 112.091,46.482 112.836,46.482 ccw(c112.836,46.785) 113.05,46.571 ; 112.091,97.656 113.039,97.656 ccw(c113.039,97.671) 113.05,97.66 ; 112.091,99.481 112.836,99.481 ccw(c112.836,99.784) 113.05,99.57 ; 112.44,43.301 cw(c112.456,43.285) 112.456,43.307 113.641,43.307 ; 112.44,96.3 cw(c112.456,96.284) 112.456,96.306 113.641,96.306 ; 159.366,37.482 161.416,37.482 ; 159.366,39.082 161.416,39.082 ; 159.366,40.682 160.228,40.682 ccw(c160.228,40.713) 160.25,40.691 ; 159.366,42.282 161.355,42.282 ccw(c161.355,42.367) 161.416,42.307 ; 159.366,43.882 161.416,43.882 ; 159.366,45.482 161.416,45.482 ; 159.366,90.481 161.416,90.481 ; 159.366,92.081 161.416,92.081 ; 159.366,93.681 160.228,93.681 ccw(c160.228,93.712) 160.25,93.69 ; 159.366,95.281 161.355,95.281 ccw(c161.355,95.366) 161.416,95.306 ; 159.366,96.881 161.416,96.881 ; 159.366,98.481 161.416,98.481 ; 159.412,47.062 160.282,47.931 cw(c162.14,46.074) 162.14,48.701 ; 159.412,100.061 160.282,100.93 cw(c162.14,99.073) 162.14,101.7 ; 159.991,35.882 161.355,35.882 ccw(c161.355,35.968) 161.416,35.907 ; 159.991,88.881 161.355,88.881 ccw(c161.355,88.967) 161.416,88.906 ; 160.541,35.333 160.541,36.645 cw(c160.606,36.645) 160.56,36.691 ; 160.541,88.331 160.541,89.644 cw(c160.606,89.644) 160.56,89.69 ; 162.141,34.882 162.141,36.932 ; 162.141,87.881 162.141,89.931 ; 162.49,47.407 162.49,48.153 cw(c162.728,48.153) 162.56,48.321 ; 162.49,100.406 162.49,101.152 cw(c162.728,101.152) 162.56,101.32 ; 162.62,47.601 cw(c163.931,46.289) 163.931,48.144 ; 162.62,100.6 cw(c163.931,99.288) 163.931,101.143 ; 162.743,40.131 162.743,41.214 cw(c162.767,41.214) 162.75,41.231 ; 162.743,93.13 162.743,94.213 cw(c162.767,94.213) 162.75,94.23 ; 162.86,41.481 ccw(c162.804,41.537) 162.883,41.537 ; 162.86,94.48 ccw(c162.804,94.536) 162.883,94.536 ; 162.883,40.201 162.883,42.532 ; 162.883,93.2 162.883,95.531 ; 163.7,35.781 cw(c163.601,35.682) 163.741,35.682 163.741,34.882 ; 163.7,88.78 cw(c163.601,88.681) 163.741,88.681 163.741,87.881 ; 163.741,36.932 163.741,36.025 ccw(c163.874,36.025) 163.78,35.931 ; 163.741,89.931 163.741,89.024 ccw(c163.874,89.024) 163.78,88.93 ; 165.341,34.882 165.341,36.957 ; 165.341,87.881 165.341,89.956 ; 165.41,48.311 ccw(c165.577,48.144) 165.341,48.144 ; 165.41,101.31 ccw(c165.577,101.143) 165.341,101.143 ; 165.741,35.907 ccw(c165.801,35.968) 165.801,35.882 167.165,35.882 ; 165.741,88.906 ccw(c165.801,88.967) 165.801,88.881 167.165,88.881 ; 166.033,37.649 166.585,37.097 ccw(c166.89,37.402) 166.89,36.971 ; 166.033,90.648 166.585,90.096 ccw(c166.89,90.401) 166.89,89.97 ; 166.831,38.447 167.541,37.736 cw(c167.287,37.482) 167.647,37.482 ; 166.831,91.446 167.541,90.735 cw(c167.287,90.481) 167.647,90.481 ; 166.93,48.432 cw(c166.904,48.406) 166.941,48.406 166.941,47.407 ; 166.93,101.431 cw(c166.904,101.405) 166.941,101.405 166.941,100.406 ; 167.466,39.082 169.128,39.082 ; 167.466,92.081 169.128,92.081 ; 167.48,37.551 ccw(c167.647,37.718) 167.647,37.482 ; 167.48,90.55 ccw(c167.647,90.717) 167.647,90.481 ; 168.541,40.157 168.541,38.744 ccw(c168.743,38.744) 168.6,38.601 ; 168.541,47.407 168.541,48.338 cw(c168.674,48.338) 168.58,48.432 ; 168.541,93.156 168.541,91.743 ccw(c168.743,91.743) 168.6,91.6 ; 168.541,100.406 168.541,101.337 cw(c168.674,101.337) 168.58,101.431 ; 168.765,37.482 167.647,37.482 ; 168.765,90.481 167.647,90.481 ; 169.01,39.131 ccw(c169.128,39.249) 169.128,39.082 ; 169.01,92.13 ccw(c169.128,92.248) 169.128,92.081 ; 169.066,40.682 170.102,40.682 cw(c170.102,40.303) 170.37,40.571 ; 169.066,93.681 170.102,93.681 cw(c170.102,93.302) 170.37,93.57 ; 169.95,39.921 ccw(c169.984,39.955) 169.984,39.907 171.19,39.907 172.175,40.891 ccw(c171.945,41.121) 172.27,41.121 ; 169.95,92.92 ccw(c169.984,92.954) 169.984,92.906 171.19,92.906 172.175,93.89 ccw(c171.945,94.12) 172.27,94.12 ; 170.12,40.461 ccw(c170.069,40.512) 170.141,40.512 170.141,41.757 ; 170.12,93.46 ccw(c170.069,93.511) 170.141,93.511 170.141,94.756 ; 170.141,47.407 170.141,48.148 cw(c170.343,48.148) 170.2,48.291 ; 170.141,100.406 170.141,101.147 cw(c170.343,101.147) 170.2,101.29 ; 170.365,39.082 169.128,39.082 ; 170.365,92.081 169.128,92.081 ; 171.599,39.907 172.735,41.043 ccw(c172.696,41.082) 172.751,41.082 ; 171.599,92.906 172.735,94.042 ccw(c172.696,94.081) 172.751,94.081 ; 171.72,41.121 ccw(c171.669,41.172) 171.741,41.172 171.741,42.237 ; 171.72,94.12 ccw(c171.669,94.171) 171.741,94.171 171.741,95.236 ; 171.73,48.401 cw(c171.704,48.375) 171.741,48.375 171.741,47.407 ; 171.73,101.4 cw(c171.704,101.374) 171.741,101.374 171.741,100.406 ; 172.641,42.237 172.641,41.184 ccw(c172.876,41.184) 172.71,41.018 ; 172.641,95.236 172.641,94.183 ccw(c172.876,94.183) 172.71,94.017 ; 173.341,47.407 173.341,48.311 cw(c173.44,48.311) 173.37,48.381 ; 173.341,100.406 173.341,101.31 cw(c173.44,101.31) 173.37,101.38 ; 174.96,48.301 ccw(c175.006,48.255) 174.941,48.255 174.941,47.407 176.304,47.407 ccw(c176.304,47.557) 176.41,47.451 ; 174.96,101.3 ccw(c175.006,101.254) 174.941,101.254 174.941,100.406 176.304,100.406 ccw(c176.304,100.556) 176.41,100.45 ; 175.077,46.807 176.027,46.807 cw(c176.027,45.148) 177.2,46.321 ; 175.077,99.806 176.027,99.806 cw(c176.027,98.147) 177.2,99.32 ; 179.312,52.206 cw(c179.209,51.061) 180.244,51.564 ; 179.312,105.205 cw(c179.209,104.06) 180.244,104.563 ; 179.92,44.101 ccw(c179.994,44.175) 179.994,44.07 181.302,44.07 181.302,43.168 cw(c180.953,43.168) 181.2,42.921 cw(c181.061,42.782) 181.258,42.782 181.258,41.932 ; 179.92,97.1 ccw(c179.994,97.174) 179.994,97.069 181.302,97.069 181.302,96.167 cw(c180.953,96.167) 181.2,95.92 cw(c181.061,95.781) 181.258,95.781 181.258,94.931 ; v1@180.23,47.471 ccw(c180.505,47.746) 180.505,47.357 181.41,47.357 ; v1@180.23,100.47 ccw(c180.505,100.745) 180.505,100.356 181.41,100.356 ; 181.341,49.407 181.341,48.549 ccw(c181.508,48.549) 181.39,48.431 ; 181.341,102.406 181.341,101.548 ccw(c181.508,101.548) 181.39,101.43 ; 182.216,47.357 182.216,48.184 cw(c182.297,48.184) 182.24,48.241 ; 182.216,100.356 182.216,101.183 cw(c182.297,101.183) 182.24,101.24 ; 182.4,43.051 ccw(c182.36,43.091) 182.416,43.091 182.416,43.982 ; 182.4,96.05 ccw(c182.36,96.09) 182.416,96.09 182.416,96.981 ; 182.641,48.382 182.641,49.407 ; 182.641,101.381 182.641,102.406 ; 182.777,51.655 cw(c183.722,51.001) 184.757,51.504 ; 182.777,104.654 cw(c183.722,104) 184.757,104.503 ; 182.941,41.937 182.941,43.145 cw(c183.006,43.145) 182.96,43.191 ; 182.941,94.936 182.941,96.144 cw(c183.006,96.144) 182.96,96.19 ; 183.091,44.657 184.039,44.657 ccw(c184.039,44.672) 184.05,44.661 ; 183.091,46.482 183.836,46.482 ccw(c183.836,46.785) 184.05,46.571 ; 183.091,97.656 184.039,97.656 ccw(c184.039,97.671) 184.05,97.66 ; 183.091,99.481 183.836,99.481 ccw(c183.836,99.784) 184.05,99.57 ; 183.44,43.301 cw(c183.455,43.285) 183.455,43.307 184.641,43.307 ; 183.44,96.3 cw(c183.455,96.284) 183.455,96.306 184.641,96.306 ; 21.932,48.144 cw(c21.932,46.522) 23.079,47.669 23.341,47.407 23.341,48.144 ; 21.932,48.144 23.341,48.144 ; 21.932,101.143 cw(c21.932,99.521) 23.079,100.668 23.341,100.406 23.341,101.143 ; 21.932,101.143 23.341,101.143 ; 92.931,48.144 cw(c92.931,46.522) 94.079,47.669 94.341,47.407 94.341,48.144 ; 92.931,48.144 94.341,48.144 ; 92.931,101.143 cw(c92.931,99.521) 94.079,100.668 94.341,100.406 94.341,101.143 ; 92.931,101.143 94.341,101.143 ; 163.931,48.144 cw(c163.931,46.522) 165.079,47.669 165.341,47.407 165.341,48.144 ; 163.931,48.144 165.341,48.144 ; 163.931,101.143 cw(c163.931,99.521) 165.079,100.668 165.341,100.406 165.341,101.143 ; 163.931,101.143 165.341,101.143
  Bottom Layer w0.3: 9.725,51.676 9.725,52.005 cw(c9.896,52.005) 9.775,52.126 cw(c10.077,51.824) 10.077,52.251 41.833,52.251 43.678,52.251 ; 9.725,104.675 9.725,105.004 cw(c9.896,105.004) 9.775,105.125 cw(c10.077,104.823) 10.077,105.25 41.833,105.25 43.678,105.25 ; 10.55,51.636 10.55,52.126 ; 10.55,104.635 10.55,105.125 ; 12.15,51.736 12.15,52.226 ; 12.15,104.735 12.15,105.225 ; 13.725,51.711 13.725,52.201 ; 13.725,104.71 13.725,105.2 ; 15.35,51.636 15.35,52.126 ; 15.35,104.635 15.35,105.125 ; 16.925,51.636 16.925,52.126 ; 16.925,104.635 16.925,105.125 ; 17.9,52.151 17.9,51.661 18.235,51.996 cw(c18.85,51.381) 18.85,52.251 ; 17.9,105.15 17.9,104.66 18.235,104.995 cw(c18.85,104.38) 18.85,105.25 ; 36.275,52.251 37.204,52.251 ; 36.275,105.25 37.204,105.25 ; 37.25,52.251 37.351,52.251 cw(c37.351,51.227) 38.075,51.951 38.119,51.907 cw(c37.863,51.651) 38.225,51.651 38.225,52.166 ; 37.25,105.25 37.351,105.25 cw(c37.351,104.226) 38.075,104.95 38.119,104.906 cw(c37.863,104.65) 38.225,104.65 ; 39.275,52.251 cw(c39.116,52.092) 39.341,52.092 39.341,51.632 ; 39.275,105.25 cw(c39.116,105.091) 39.341,105.091 39.341,104.631 ; 40.75,52.176 40.75,51.651 cw(c41.233,51.651) 40.891,51.992 40.95,52.051 cw(c41.433,51.568) 41.433,52.251 41.625,52.251 ; 40.75,104.65 cw(c41.233,104.65) 40.891,104.991 40.95,105.05 cw(c41.433,104.567) 41.433,105.25 41.625,105.25 ; 44.141,51.632 44.141,51.977 ccw(c44.001,51.977) 44.1,52.076 ccw(c43.678,51.654) 43.678,52.251 ; 44.141,104.631 44.141,104.976 ccw(c44.001,104.976) 44.1,105.075 ccw(c43.678,104.653) 43.678,105.25 ; 45.741,51.632 45.741,51.882 ccw(c45.43,51.882) 45.65,52.101 ccw(c45.288,51.739) 45.288,52.251 ; 45.741,104.631 45.741,104.88 ccw(c45.43,104.88) 45.65,105.1 ccw(c45.288,104.738) 45.288,105.25 ; 46.725,52.251 cw(c46.725,51.824) 47.027,52.126 cw(c46.712,51.811) 47.157,51.811 47.157,51.651 ; 46.725,105.25 cw(c46.725,104.823) 47.027,105.125 cw(c46.712,104.81) 47.157,104.81 47.157,104.65 ; 46.748,52.251 45.288,52.251 ; 46.748,105.25 45.288,105.25 ; 80.725,51.676 80.725,52.005 cw(c80.896,52.005) 80.775,52.126 cw(c81.077,51.824) 81.077,52.251 112.833,52.251 114.677,52.251 ; 80.725,104.675 80.725,105.004 cw(c80.896,105.004) 80.775,105.125 cw(c81.077,104.823) 81.077,105.25 112.833,105.25 114.677,105.25 ; 81.55,51.636 81.55,52.126 ; 81.55,104.635 81.55,105.125 ; 83.15,51.736 83.15,52.226 ; 83.15,104.735 83.15,105.225 ; 84.725,51.711 84.725,52.201 ; 84.725,104.71 84.725,105.2 ; 86.35,51.636 86.35,52.126 ; 86.35,104.635 86.35,105.125 ; 87.925,51.636 87.925,52.126 ; 87.925,104.635 87.925,105.125 ; 88.9,52.151 88.9,51.661 89.235,51.996 cw(c89.85,51.381) 89.85,52.251 ; 88.9,105.15 88.9,104.66 89.235,104.995 cw(c89.85,104.38) 89.85,105.25 ; 107.275,52.251 108.204,52.251 ; 107.275,105.25 108.204,105.25 ; 108.25,52.251 108.351,52.251 cw(c108.351,51.227) 109.075,51.951 109.119,51.907 cw(c108.863,51.651) 109.225,51.651 109.225,52.166 ; 108.25,105.25 108.351,105.25 cw(c108.351,104.226) 109.075,104.95 109.119,104.906 cw(c108.863,104.65) 109.225,104.65 109.225,105.165 ; 110.275,52.251 cw(c110.116,52.092) 110.341,52.092 110.341,51.632 ; 110.275,105.25 cw(c110.116,105.091) 110.341,105.091 110.341,104.631 ; 111.75,52.176 111.75,51.651 cw(c112.233,51.651) 111.891,51.992 111.95,52.051 cw(c112.433,51.568) 112.433,52.251 112.625,52.251 ; 111.75,105.175 111.75,104.65 cw(c112.233,104.65) 111.891,104.991 111.95,105.05 cw(c112.433,104.567) 112.433,105.25 112.625,105.25 ; 115.141,51.632 115.141,51.977 ccw(c115.001,51.977) 115.1,52.076 ccw(c114.677,51.654) 114.677,52.251 ; 115.141,104.631 115.141,104.976 ccw(c115.001,104.976) 115.1,105.075 ccw(c114.677,104.653) 114.677,105.25 ; 116.741,51.632 116.741,51.882 ccw(c116.43,51.882) 116.65,52.101 ccw(c116.288,51.739) 116.288,52.251 ; 116.741,104.631 116.741,104.88 ccw(c116.43,104.88) 116.65,105.1 ccw(c116.288,104.738) 116.288,105.25 ; 117.725,52.251 cw(c117.725,51.824) 118.027,52.126 cw(c117.712,51.811) 118.157,51.811 118.157,51.651 ; 117.725,105.25 cw(c117.725,104.823) 118.027,105.125 cw(c117.712,104.81) 118.157,104.81 118.157,104.65 ; 117.748,52.251 116.288,52.251 ; 117.748,105.25 116.288,105.25 ; 151.725,51.676 151.725,52.005 cw(c151.896,52.005) 151.775,52.126 cw(c152.077,51.824) 152.077,52.251 183.833,52.251 185.677,52.251 ; 151.725,104.675 151.725,105.004 cw(c151.896,105.004) 151.775,105.125 cw(c152.077,104.823) 152.077,105.25 183.833,105.25 185.677,105.25 ; 152.55,51.636 152.55,52.126 ; 152.55,104.635 152.55,105.125 ; 154.15,51.736 154.15,52.226 ; 154.15,104.735 154.15,105.225 ; 155.725,51.711 155.725,52.201 ; 155.725,104.71 155.725,105.2 ; 157.35,51.636 157.35,52.126 ; 157.35,104.635 157.35,105.125 ; 158.925,51.636 158.925,52.126 ; 158.925,104.635 158.925,105.125 ; 159.9,52.151 159.9,51.661 160.235,51.996 cw(c160.85,51.381) 160.85,52.251 ; 159.9,105.15 159.9,104.66 160.235,104.995 cw(c160.85,104.38) 160.85,105.25 ; 178.275,52.251 179.204,52.251 ; 178.275,105.25 179.204,105.25 ; 179.25,52.251 179.351,52.251 cw(c179.351,51.227) 180.075,51.951 180.119,51.907 cw(c179.863,51.651) 180.225,51.651 180.225,52.166 ; 179.25,105.25 179.351,105.25 cw(c179.351,104.226) 180.075,104.95 180.119,104.906 cw(c179.863,104.65) 180.225,104.65 180.225,105.165 ; 181.275,52.251 cw(c181.116,52.092) 181.341,52.092 181.341,51.632 ; 181.275,105.25 cw(c181.116,105.091) 181.341,105.091 181.341,104.631 ; 182.75,52.176 182.75,51.651 cw(c183.233,51.651) 182.891,51.992 182.95,52.051 cw(c183.433,51.568) 183.433,52.251 183.625,52.251 ; 182.75,105.175 182.75,104.65 cw(c183.233,104.65) 182.891,104.991 182.95,105.05 cw(c183.433,104.567) 183.433,105.25 183.625,105.25 ; 186.141,51.632 186.141,51.977 ccw(c186.001,51.977) 186.1,52.076 ccw(c185.677,51.654) 185.677,52.251 ; 186.141,104.631 186.141,104.976 ccw(c186.001,104.976) 186.1,105.075 ccw(c185.677,104.653) 185.677,105.25 ; 187.741,51.632 187.741,51.882 ccw(c187.43,51.882) 187.65,52.101 ccw(c187.288,51.739) 187.288,52.251 ; 187.741,104.631 187.741,104.88 ccw(c187.43,104.88) 187.65,105.1 ccw(c187.288,104.738) 187.288,105.25 ; 188.725,52.251 cw(c188.725,51.824) 189.027,52.126 cw(c188.712,51.811) 189.157,51.811 189.157,51.651 ; 188.725,105.25 cw(c188.725,104.823) 189.027,105.125 cw(c188.712,104.81) 189.157,104.81 189.157,104.65 ; 188.748,52.251 187.288,52.251 ; 188.748,105.25 187.288,105.25 ; 43.678,52.251 45.288,52.251 ; 43.678,105.25 45.288,105.25 ; 114.677,52.251 116.288,52.251 ; 114.677,105.25 116.288,105.25 ; 185.677,52.251 187.288,52.251 ; 185.677,105.25 187.288,105.25